# Altium PCB PCB_3U_DDS.PcbDoc (part 12 of 12)
Units mil, origin at the board's own origin, x right, y up, seen from the top; angles counter-clockwise.
Board outline 6338.37 x 3937 mil, 6 copper layers (L1, P2, L3, L4, P5, L6), stack 64.885 mil thick; 954 components, 537 nets, 3358 pads, 2342 vias.
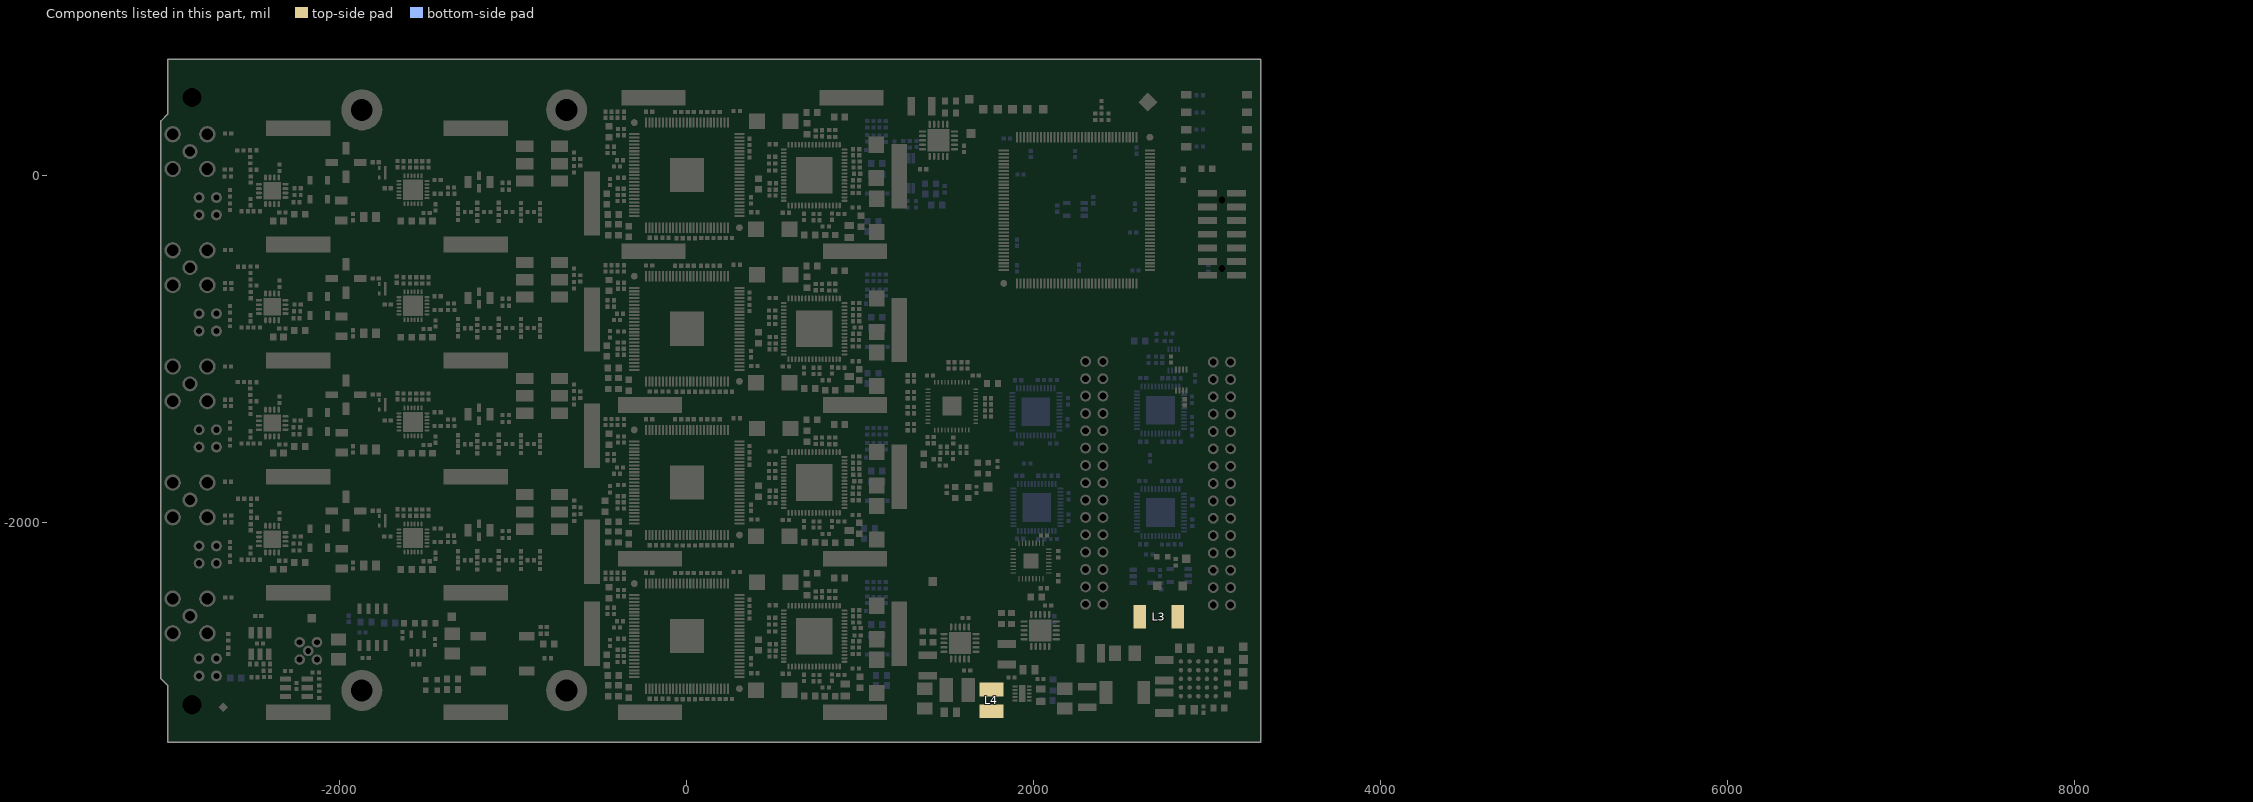
[diagram p16: the components of this part, seen from the top]

## Polygon pours and split planes (outlines as drawn) (continued)
P3V3_DRVC on L4 "Top-No Net" (solid, remove dead copper, pour order 246): 492.13,-1941.05 832.28,-1941.05 893.9,-1879.43 911.02,-1862.31 911.02,-1822.94 911.02,-1797.96 639.05,-1797.96 610.24,-1826.77 604.77,-1832.24 604.23,-1832.78 580.71,-1832.78 524.84,-1832.78 501.97,-1855.65 492.13,-1865.5
P1V8A on L4 "Top-No Net" (solid, remove dead copper, pour order 248): 1151.57,-1441.44 794.88,-1441.44 777.56,-1458.76 763.78,-1472.54 698.82,-1472.54 498.03,-1472.54 492.13,-1478.45 486.59,-1483.98 462.6,-1483.98 442.91,-1483.98 442.91,-1357.79 794.88,-1357.79 1151.57,-1357.79
P3V3_DRVD on L4 "Top-No Net" (solid, remove dead copper, pour order 250): 492.13,-2826.87 832.28,-2826.87 893.9,-2765.26 911.02,-2748.13 911.02,-2708.76 911.02,-2683.58 610.24,-2683.58 610.24,-2708.76 610.24,-2712.6 604.77,-2718.06 604.23,-2718.61 580.71,-2718.61 524.84,-2718.61 501.97,-2741.48 492.13,-2751.32
P1V8A on L4 "Top-No Net" (solid, remove dead copper, pour order 252): 1151.57,-2327.27 1057.68,-2327.27 1026.57,-2358.37 698.82,-2358.37 498.03,-2358.37 492.13,-2364.28 486.59,-2369.81 462.6,-2369.81 442.91,-2369.81 442.91,-2288.79 734.94,-2288.79 1151.57,-2288.79
NetC73_2 on L4 "Top-No Net" (solid, remove dead copper, pour order 316): 21 vertices, not listed, extent 2529.53,-3053.25 2923.23,-2876.09
P3V3 on L3 "Top-No Net" (solid, remove dead copper, pour order 312): 18 vertices, not listed, extent 1712.6,-2698.92 1968.5,-1862.31
P3V6 on L3 "Top-No Net" (solid, remove dead copper, pour order 310): 30 vertices, not listed, extent 1594.49,-3131.99 2519.69,-2689.08
NetC73_2 on L3 "Top-No Net" (solid, remove dead copper, pour order 308): 2539.37,-2925.3 2539.37,-3063.09 2874.02,-3063.09 2874.02,-2836.72 2539.37,-2836.72
P3V3A on L3 "P3V3A_L03_P088" (solid, remove dead copper, pour order 88): 1273.87,-1643.7 1273.87,-2416.14 1309.05,-2451.32 1309.05,-2974.51 1555.12,-2974.51 1555.12,-2817.03 1387.8,-2817.03 1387.8,-1643.7
P7V0A on L3 "P7V0A_L03_P052" (solid, remove dead copper, pour order 52): -1877.95,-163.49 -1826.77,-163.49 -1807.09,-183.17 -1807.09,-242.23 -1807.09,-2432.76 -1885.83,-2432.76 -1885.83,-2289.47 -1885.83,-2269.79 -1885.83,-183.17 -1885.83,-163.49
P5V0A on L3 "P5V0A_L03_P070" (solid, remove dead copper, pour order 70): -2183.91,-188.66 -2144.54,-188.66 -2134.7,-198.51 -2134.7,-237.88 -2134.7,-2481.97 -1540.15,-2481.97 -1540.15,-2560.71 -2193.75,-2560.71 -2193.75,-2432.76 -2193.75,-198.51
P3V3A on L3 "P3V3A_L03_P084" (solid, remove dead copper, pour order 84): -510.68,-2472.13 -454.6,-2472.13 -356.13,-2472.13 -356.13,139.06 -461.47,244.41 -500.84,244.41 -510.68,244.41 -520.53,234.56 -520.53,214.88 -520.53,-2462.29
P3V3A on L3 "P3V3A_L03_P086" (solid, remove dead copper, pour order 86): 886.95,-2302.8 916.48,-2302.8 1002.87,-2216.4 1002.87,346.21 957.46,391.63 896.8,391.63 871.21,391.63 867.27,387.69 867.27,364.53 867.27,-2292.95 877.11,-2302.8
P1V8A on L3 "P1V8A_L03_P140" (solid, remove dead copper, pour order 140): 1103.49,-2590.65 1152.36,-2590.65 1164.17,-2578.84 1182.23,-2560.79 1341.87,-2401.14 1341.87,301.3 1211.76,431.41 1208.15,435.02 1172.39,435.02 1087.41,435.02 1073.96,421.57 1005.87,353.48 1005.87,-2502.47 1093.65,-2590.24 1094.06,-2590.65
P1V8A on L3 "Top-No Net" (solid, remove dead copper, pour order 174): 501.97,-533.57 501.97,-858.37 501.97,-1155.35 482.28,-1175.04 480.58,-1173.33 425.98,-1173.33 425.98,-1171.36 408.26,-1153.65 403.54,-1148.93 403.54,-1087.52 403.54,-543.41 423.23,-523.72 482.28,-523.72 492.13,-523.72 501.97,-533.57
P1V8A on L3 "Top-No Net" (solid, remove dead copper, pour order 236): 501.97,352.26 501.97,27.46 501.97,-269.53 482.28,-289.21 480.58,-287.5 425.98,-287.5 425.98,-285.54 408.26,-267.82 403.54,-263.1 403.54,-201.69 403.54,342.42 423.23,362.1 482.28,362.1 492.13,362.1 501.97,352.26
P1V8A on L3 "Top-No Net" (solid, remove dead copper, pour order 238): 501.97,-1419.39 501.97,-1744.2 501.97,-2041.18 482.28,-2060.86 480.58,-2059.16 425.98,-2059.16 425.98,-2057.19 408.26,-2039.47 403.54,-2034.76 403.54,-1973.34 403.54,-1429.24 423.23,-1409.55 482.28,-1409.55 492.13,-1409.55 501.97,-1419.39
P1V8A on L3 "Top-No Net" (solid, remove dead copper, pour order 272): 501.97,-2305.22 501.97,-2630.02 501.97,-2927.01 482.28,-2946.69 480.58,-2944.98 425.98,-2944.98 425.98,-2943.02 408.26,-2925.3 403.54,-2920.58 403.54,-2859.17 403.54,-2315.06 423.23,-2295.38 482.28,-2295.38 492.13,-2295.38 501.97,-2305.22
P3V3_DRVA on L3 "Top-No Net" (solid, remove dead copper, pour order 284): 22 vertices, not listed, extent 757.87,-80.81 887.91,332.57
P3V3_DRVB on L3 "Top-No Net" (solid, remove dead copper, pour order 286): 21 vertices, not listed, extent 757.87,-966.64 887.91,-537.5
P3V3_DRVC on L3 "Top-No Net" (solid, remove dead copper, pour order 288): 21 vertices, not listed, extent 757.87,-1852.46 887.91,-1426.28
P3V3_DRVD on L3 "Top-No Net" (solid, remove dead copper, pour order 290): 17 vertices, not listed, extent 757.87,-2738.29 900.87,-2324.91
P1V8_CLK_VDDD on L1 "Top-No Net" (solid, remove dead copper, pour order 232): 28 vertices, not listed, extent 698.82,-3051.28 1163.19,-2787.5
P7V5A on L1 "Top-No Net" (solid, remove dead copper, pour order 306): 1594.49,-3141.83 1594.49,-3053.25 1555.12,-3053.25 1555.12,-2885.93 1181.1,-2885.93 1181.1,-3082.78 1250,-3082.78 1250,-3033.57 1259.84,-3023.72 1269.69,-3013.88 1446.85,-3013.88 1456.69,-3023.72 1505.91,-3023.72 1505.91,-3131.99 1515.75,-3141.83
P3V3A on L1 "Top-No Net" (solid, remove dead copper, pour order 304): 26 vertices, not listed, extent 1112.2,-2885.93 1584.65,-2265.85
P3V3 on L1 "Top-No Net" (solid, remove dead copper, pour order 302): 1786.87,258.21 1789.87,255.21 2813.69,255.21 2813.69,-591.35 3001.97,-779.63 3001.97,-2157.58 2696.85,-2157.58 2696.85,-1242.23 2813.69,-1242.23 2813.69,-985.06 2491.43,-662.79 1787.87,-662.79
P3V3 on L1 "P3V3_L01_P114" (solid, remove dead copper, pour order 114): 27 vertices, not listed, extent 2461.76,-2324.49 3071.99,-111.6
GND on L1 "GND_L01_P112" (solid, remove dead copper, pour order 112): 2120.08,-3033.15 2338.37,-3033.15 2363.33,-3058.11 2364.4,-3059.18 2364.4,-3102.05 2364.4,-3150.19 2363.33,-3151.26 2087.74,-3151.26 2087.74,-3089.6 2097.26,-3080.08 2120.08,-3057.26 2120.08,-3033.15
GND on L1 "GND_L01_P110" (solid, remove dead copper, pour order 110): 22 vertices, not listed, extent 1861.36,-3107.39 2103.92,-2826.46
GND on L1 "GND_L01_P108" (solid, remove dead copper, pour order 108): 3235.24,-2910.96 3235.24,-3150.79 2825.39,-3150.79 2825.39,-3043.53 3032.62,-2836.3 3042.47,-2826.46 3101.52,-2826.46 3150.73,-2826.46
NetC73_2 on L1 "NETC73_2_L01_P106" (solid, remove dead copper, pour order 106): 21 vertices, not listed, extent 2550.2,-3165.2 2875.14,-2882.98
GND on L1 "GND_L01_P102" (solid, remove dead copper, pour order 102): 2688.58,-2885.51 2914.51,-2885.51 2914.51,-2944.57 2904.67,-2944.57 2824.83,-2944.57 2819.8,-2948.82 2820.19,-2949.21 2816.09,-2953.32 2816.09,-3013.47 2816.09,-3017.85 2810.22,-3023.72 2692.93,-3023.72 2688.58,-3019.37
P12V0 on L1 "P12V0_L01_P100" (solid, remove dead copper, pour order 100): 40 vertices, not listed, extent 2875.14,-3129.37 3121.21,-2580.4
NetC161_2 on L1 "NETC161_2_L01_P098" (solid, remove dead copper, pour order 98): 22 vertices, not listed, extent 2668.45,-2875.67 2914.51,-2442.6
P3V3 on L1 "P3V3_L01_P096" (solid, remove dead copper, pour order 96): 1765.75,-2393.39 1996.2,-2393.39 1996.2,-2394.23 2013.39,-2411.42 2018.84,-2416.88 2018.84,-2434.33 2018.84,-2472.13 2009,-2481.97 1999.16,-2491.81 1959.79,-2491.81 1765.75,-2491.81
P2V0 on L1 "P2V0_L01_P054" (solid, remove dead copper, pour order 54): 18 vertices, not listed, extent 1303.15,-2838.69 2678.29,171.16
P1V8A on L1 "P1V8A_L01_P056" (solid, remove dead copper, pour order 56): 1342.52,483.48 1519.68,483.48 1519.68,391.63 1509.84,381.79 1505.91,377.85 1480.31,377.85 1480.31,259.74 1446.85,226.28 1358.27,226.28 1188.98,226.28 1185.04,230.21 1185.04,303.14 1185.04,463.8 1204.72,483.48 1342.52,483.48
P3V6 on L1 "P3V6_L01_P058" (solid, remove dead copper, pour order 58): 37 vertices, not listed, extent 1598.43,-3091.83 2503.94,-2437.11
P3V3 on L1 "P3V3_L01_P060" (solid, remove dead copper, pour order 60): 18 vertices, not listed, extent 1824.8,-616.24 2661.42,220.37
P3V3 on L1 "P3V3_L01_P062" (solid, remove dead copper, pour order 62): 37 vertices, not listed, extent 1564.96,-2742.23 2181.38,-1164.36
P3V3_CLK2 on L1 "P3V3_CLK2_L01_P066" (solid, remove dead copper, pour order 66): 2617.59,-960.38 2777.7,-960.38 2797.24,-979.93 2810.5,-993.19 2810.5,-1078.49 2810.5,-1129.54 2850,-1169.04 2869.56,-1188.6 2869.56,-1212.6 2791.07,-1212.6 2786.88,-1208.41 2617.59,-1039.12 2617.59,-956.44
P7V0A on L1 "P7V0A_L01_P068" (solid, remove dead copper, pour order 68): 23 vertices, not listed, extent -2105.17,-2747.72 -1652.42,-2383.55
P7V5A on L1 "P7V5A_L01_P072" (solid, remove dead copper, pour order 72): 19 vertices, not listed, extent -1928.01,-2885.51 -1553.99,-2659.14
P7V5A on L1 "P7V5A_L01_P076" (solid, remove dead copper, pour order 76): 35 vertices, not listed, extent 1172.39,-3151.26 1615.3,-2875.67
P5V0A on L1 "P5V0A_L01_P078" (solid, remove dead copper, pour order 78): 23 vertices, not listed, extent -1681.94,-2698.51 -1551.18,-2491.81
P3V3A on L1 "P3V3A_L01_P080" (solid, remove dead copper, pour order 80): 21 vertices, not listed, extent 1133.02,-2846.14 1546.4,-2265.44
GND on L1 "GND_L01_P118" (solid, remove dead copper, pour order 118): -1701.63,-602.05 -1455.57,-602.05 -1455.57,-542.99 -1701.63,-542.99 -1701.63,-602.05
GND on L1 "GND_L01_P122" (solid, remove dead copper, pour order 122): -1705.56,68.24 -1459.5,68.24 -1459.5,127.29 -1705.56,127.29 -1705.56,68.24
GND on L1 "GND_L01_P124" (solid, remove dead copper, pour order 124): -1701.63,-1268.41 -1455.57,-1268.41 -1455.57,-1209.35 -1701.63,-1209.35 -1701.63,-1268.41
GND on L1 "GND_L01_P126" (solid, remove dead copper, pour order 126): -1701.63,-1937.7 -1455.57,-1937.7 -1455.57,-1878.64 -1701.63,-1878.64 -1701.63,-1937.7
P7V5 on L1 "P7V5_L01_P128" (solid, remove dead copper, pour order 128): 20 vertices, not listed, extent 1585.77,-3015.71 1940.1,-2846.14
P3V3A on L1 "P3V3A_L01_P130" (solid, remove dead copper, pour order 130): 867.27,-2265.44 951.5,-2265.44 955.85,-2269.79 955.85,-2314.65 955.85,-2344.18 946.01,-2354.02 926.32,-2354.02 888.96,-2354.02 886.95,-2352.01 886.95,-2302.8 877.11,-2302.8 867.27,-2292.95 867.27,-2265.85
P3V3A on L1 "P3V3A_L01_P132" (solid, remove dead copper, pour order 132): 867.27,392.04 951.5,392.04 955.85,387.69 955.85,342.83 955.85,313.3 946.01,303.46 926.32,303.46 888.96,303.46 886.95,305.47 886.95,354.68 877.11,354.68 877.11,354.69 867.27,364.53 867.27,391.63
P3V3A on L1 "P3V3A_L01_P134" (solid, remove dead copper, pour order 134): 867.27,-493.78 951.5,-493.78 955.85,-498.13 955.85,-542.99 955.85,-572.52 946.01,-582.36 926.32,-582.36 888.96,-582.36 886.95,-580.35 886.95,-531.14 877.11,-531.14 867.27,-521.3 867.27,-494.2
P3V3A on L1 "P3V3A_L01_P136" (solid, remove dead copper, pour order 136): 867.27,-1379.61 951.5,-1379.61 955.85,-1383.96 955.85,-1428.82 955.85,-1458.35 946.01,-1468.19 926.32,-1468.19 888.96,-1468.19 886.95,-1466.18 886.95,-1416.97 877.11,-1416.97 867.27,-1407.13 867.27,-1380.02
GND on L1 "GND_L01_P138" (solid, remove dead copper, pour order 138): 1260.97,-3063.44 1260.97,-3033.15 1270.81,-3023.31 1418.45,-3023.31 1428.29,-3033.15 1431.1,-3033.15 1431.81,-3033.15 1457.82,-3059.16 1507.03,-3108.37 1507.03,-3133.96 1507.03,-3150.79 1506.56,-3151.26 1260.97,-3151.26 1260.97,-3062.68
P1V8_CLK_VDDA on L1 "Top-No Net" (solid, remove dead copper, pour order 144): -275.59,27.46 -275.59,-275.59 -127.95,-275.59 -127.95,-189.08 -127.95,-51.28 -167.32,-11.91 -206.69,27.46 -275.59,27.46
P1V8_CLK_VDDB on L1 "Top-No Net" (solid, remove dead copper, pour order 146): -275.59,-858.37 -275.59,-1161.42 -127.95,-1161.42 -127.95,-1074.91 -127.95,-937.11 -167.32,-897.74 -206.69,-858.37 -275.59,-858.37
P1V8_CLK_VDDC on L1 "Top-No Net" (solid, remove dead copper, pour order 148): -275.59,-1744.2 -275.59,-2047.24 -127.95,-2047.24 -127.95,-1960.73 -127.95,-1822.94 -167.32,-1783.57 -206.69,-1744.2 -275.59,-1744.2
P1V8_CLK_VDDD on L1 "Top-No Net" (solid, remove dead copper, pour order 150): -275.59,-2630.02 -275.59,-2933.07 -127.95,-2933.07 -127.95,-2846.56 -127.95,-2708.76 -167.32,-2669.39 -206.69,-2630.02 -275.59,-2630.02
P1V8_CLK_VDDB on L1 "Top-No Net" (solid, remove dead copper, pour order 152): 29 vertices, not listed, extent 698.82,-1279.63 1163.19,-1015.85
P3V3_DAC_VDDB on L1 "Top-No Net" (solid, remove dead copper, pour order 158): -478.35,-631.99 -324.8,-631.99 -324.8,-799.32 -167.32,-799.32 -167.32,-582.78 -442.91,-582.78 -480.31,-582.78 -481.97,-584.43 -482.28,-584.75 -482.28,-622.15 -482.28,-628.06 -478.35,-631.99
P3V3_DAC_VDDB on L1 "Top-No Net" (solid, remove dead copper, pour order 160): 19 vertices, not listed, extent 836.61,-789.47 1151.57,-523.72
P3V3_DRVB on L1 "Top-No Net" (solid, remove dead copper, pour order 164): 24 vertices, not listed, extent -59.06,-1303.44 482.28,-622.15
P1V8_DVDDB on L1 "Top-No Net" (solid, remove dead copper, pour order 166): 22 vertices, not listed, extent -29.53,-1067.32 374.02,-553.25
GND on L1 "Top-No Net" (solid, remove dead copper, pour order 168): 27 vertices, not listed, extent -265.75,-1094.59 196.85,-622.15
P1V8_DVDDB on L1 "Top-No Net" (solid, remove dead copper, pour order 170): 27 vertices, not listed, extent -19.69,-653.65 721.26,-439.08
P1V8A on L1 "Top-No Net" (solid, remove dead copper, pour order 176): 28 vertices, not listed, extent 438.73,-1271.76 698.82,-1127.93
P1V8A on L1 "Top-No Net" (solid, remove dead copper, pour order 182): 28 vertices, not listed, extent 438.73,-385.93 698.82,-242.1
P1V8_DVDDA on L1 "Top-No Net" (solid, remove dead copper, pour order 184): 27 vertices, not listed, extent -19.69,232.18 721.26,446.75
GND on L1 "Top-No Net" (solid, remove dead copper, pour order 186): 27 vertices, not listed, extent -265.75,-208.76 196.85,263.68
P1V8_DVDDA on L1 "Top-No Net" (solid, remove dead copper, pour order 188): 22 vertices, not listed, extent -29.53,-181.5 374.02,332.57
P3V3_DRVA on L1 "Top-No Net" (solid, remove dead copper, pour order 190): 24 vertices, not listed, extent -59.06,-417.61 482.28,263.68
P3V3_DAC_VDDA on L1 "Top-No Net" (solid, remove dead copper, pour order 192): 838.19,279.53 836.61,277.95 836.61,125.88 836.61,107.74 847.58,96.77 848,96.35 940.55,96.35 974.02,96.35 975.98,98.32 983.86,106.2 1151.57,106.2 1151.57,180.92 1034.51,297.98 964.57,297.98 856.65,297.98
P3V3_DAC_VDDA on L1 "Top-No Net" (solid, remove dead copper, pour order 194): -478.35,253.83 -324.8,253.83 -324.8,86.51 -167.32,86.51 -167.32,303.05 -442.91,303.05 -480.31,303.05 -481.97,301.39 -482.28,301.08 -482.28,263.68 -482.28,257.77 -478.35,253.83
P1V8_CLK_VDDA on L1 "Top-No Net" (solid, remove dead copper, pour order 196): 29 vertices, not listed, extent 698.82,-393.8 1163.19,-130.02
no net on L1 "Top-No Net" (solid, remove dead copper, pour order 198): -275.59,27.46 -275.59,-275.59 -127.95,-275.59 -127.95,-189.08 -127.95,-51.28 -167.32,-11.91 -206.69,27.46 -275.59,27.46
P1V8A on L1 "Top-No Net" (solid, remove dead copper, pour order 200): 28 vertices, not listed, extent 438.73,-2157.58 698.82,-2013.76
P1V8_DVDDC on L1 "Top-No Net" (solid, remove dead copper, pour order 202): 27 vertices, not listed, extent -19.69,-1539.47 721.26,-1324.91
GND on L1 "Top-No Net" (solid, remove dead copper, pour order 204): 27 vertices, not listed, extent -265.75,-1980.42 196.85,-1507.98
P1V8_DVDDC on L1 "Top-No Net" (solid, remove dead copper, pour order 206): 22 vertices, not listed, extent -29.53,-1953.15 374.02,-1439.08
P3V3_DRVC on L1 "Top-No Net" (solid, remove dead copper, pour order 208): 24 vertices, not listed, extent -59.06,-2191.11 482.28,-1509.82
P3V3_DAC_VDDC on L1 "Top-No Net" (solid, remove dead copper, pour order 210): 19 vertices, not listed, extent 836.61,-1675.3 1151.57,-1409.55
P3V3_DAC_VDDC on L1 "Top-No Net" (solid, remove dead copper, pour order 212): -478.35,-1517.82 -324.8,-1517.82 -324.8,-1685.14 -167.32,-1685.14 -167.32,-1468.61 -442.91,-1468.61 -480.31,-1468.61 -481.97,-1470.26 -482.28,-1470.57 -482.28,-1507.98 -482.28,-1513.88 -478.35,-1517.82
P1V8_CLK_VDDC on L1 "Top-No Net" (solid, remove dead copper, pour order 214): 29 vertices, not listed, extent 698.82,-2165.46 1163.19,-1901.68
no net on L1 "Top-No Net" (solid, remove dead copper, pour order 216): -275.59,-1744.2 -275.59,-2047.24 -127.95,-2047.24 -127.95,-1960.73 -127.95,-1822.94 -167.32,-1783.57 -206.69,-1744.2 -275.59,-1744.2
P1V8A on L1 "Top-No Net" (solid, remove dead copper, pour order 218): 28 vertices, not listed, extent 438.73,-3043.41 698.82,-2899.58
P1V8_DVDDD on L1 "Top-No Net" (solid, remove dead copper, pour order 220): 27 vertices, not listed, extent -19.69,-2425.3 721.26,-2210.73
GND on L1 "Top-No Net" (solid, remove dead copper, pour order 222): 27 vertices, not listed, extent -265.75,-2866.24 196.85,-2393.8
P1V8_DVDDD on L1 "Top-No Net" (solid, remove dead copper, pour order 224): 22 vertices, not listed, extent -29.53,-2838.98 374.02,-2324.91
P3V3_DRVD on L1 "Top-No Net" (solid, remove dead copper, pour order 226): 23 vertices, not listed, extent -58.18,-3075.26 483.16,-2393.97
P3V3_DAC_VDDD on L1 "Top-No Net" (solid, remove dead copper, pour order 228): 19 vertices, not listed, extent 836.61,-2561.13 1151.57,-2295.38
P3V3_DAC_VDDD on L1 "Top-No Net" (solid, remove dead copper, pour order 230): -478.35,-2403.65 -324.8,-2403.65 -324.8,-2570.97 -167.32,-2570.97 -167.32,-2354.43 -442.91,-2354.43 -480.31,-2354.43 -481.97,-2356.09 -482.28,-2356.4 -482.28,-2393.8 -482.28,-2399.71 -478.35,-2403.65
no net on L1 "Top-No Net" (solid, remove dead copper, pour order 234): -275.59,-2630.02 -275.59,-2933.07 -127.95,-2933.07 -127.95,-2846.56 -127.95,-2708.76 -167.32,-2669.39 -206.69,-2630.02 -275.59,-2630.02
GND on L1 "Top-No Net" (solid, remove dead copper, pour order 274): 562.01,-708.76 563.87,-710.63 910.55,-710.63 906.1,-715.08 906.1,-1061.02 904.34,-1062.79 559.87,-1062.79
GND on L1 "Top-No Net" (solid, remove dead copper, pour order 276): 562.01,177.06 563.87,175.2 910.55,175.2 906.1,170.75 906.1,-175.2 904.34,-176.96 559.87,-176.96
GND on L1 "Top-No Net" (solid, remove dead copper, pour order 280): 562.01,-2480.42 563.87,-2482.28 910.55,-2482.28 906.1,-2486.73 906.1,-2832.68 904.34,-2834.44 559.87,-2834.44
GND on L1 "Top-No Net" (solid, remove dead copper, pour order 278): 562.01,-1594.59 563.87,-1596.46 910.55,-1596.46 906.1,-1600.9 906.1,-1946.85 904.34,-1948.61 559.87,-1948.61
SG1 on L1 "Top-No Net" (solid, remove dead copper, pour order 292): -2657.48,273.52 -2657.48,-41.44 -3024.13,-41.44 -3024.13,293.2 -3020.17,297.16 -3020.17,312.89 -2657.48,312.89 -2657.48,273.52
SG2 on L1 "Top-No Net" (solid, remove dead copper, pour order 294): -2657.48,-395.77 -2657.48,-710.73 -3024.13,-710.73 -3024.13,-376.09 -3020.17,-372.13 -3020.17,-356.4 -2657.48,-356.4 -2657.48,-395.77
SG3 on L1 "Top-No Net" (solid, remove dead copper, pour order 296): -2657.48,-1065.06 -2657.48,-1380.02 -3024.13,-1380.02 -3024.13,-1045.38 -3020.17,-1041.43 -3020.17,-1025.69 -2657.48,-1025.69 -2657.48,-1065.06
SG4 on L1 "Top-No Net" (solid, remove dead copper, pour order 298): -2657.48,-1734.35 -2657.48,-2049.31 -3024.13,-2049.31 -3024.13,-1714.67 -3020.17,-1710.72 -3020.17,-1694.98 -2657.48,-1694.98 -2657.48,-1734.35
SG0 on L1 "Top-No Net" (solid, remove dead copper, pour order 300): -2657.48,-2403.65 -2657.48,-2738.29 -3024.13,-2738.29 -3024.13,-2383.96 -3020.17,-2380.01 -3020.17,-2364.28 -2657.48,-2364.28
P3V6 on L6 "P3V6_L06_P092" (solid, remove dead copper, pour order 92): 2100,-2480.31 2188.3,-2480.32 2188.3,-2683.17 2100,-2683.17
P3V3_CLK1 on L6 "P3V3_CLK1_L06_P064" (solid, remove dead copper, pour order 64): 1893.7,-2131.99 2041.79,-2131.99 2080.71,-2170.91 2100.39,-2190.59 2100.39,-2293.31 2100.39,-2437.11 2090.55,-2446.95 2080.71,-2456.8 2021.65,-2456.8 1913.39,-2456.8 1874.02,-2417.43 1864.17,-2407.58 1864.17,-2240.26 1864.17,-2161.52 1893.7,-2131.99
P7V5A on L6 "P7V5A_L06_P074" (solid, remove dead copper, pour order 74): 23 vertices, not listed, extent -1770.53,-3093.79 1251.13,-2777.25
P1V8_CLK_VDDB on L6 "Top-No Net" (solid, remove dead copper, pour order 156): 42 vertices, not listed, extent -196.85,-1269.79 905.51,-1006.01
P3V3_DAC_VDDB on L6 "Top-No Net" (solid, remove dead copper, pour order 162): 21 vertices, not listed, extent -421.26,-700.89 925.2,-523.72
P1V8_DRVB on L6 "Top-No Net" (solid, remove dead copper, pour order 180): 19 vertices, not listed, extent 915.35,-1035.54 1092.52,-848.53
P1V8_DRVA on L6 "Top-No Net" (solid, remove dead copper, pour order 254): 19 vertices, not listed, extent 915.35,-149.71 1092.52,37.3
P3V3_DAC_VDDA on L6 "Top-No Net" (solid, remove dead copper, pour order 256): 21 vertices, not listed, extent -433.07,184.94 925.2,362.1
P1V8_CLK_VDDA on L6 "Top-No Net" (solid, remove dead copper, pour order 258): 42 vertices, not listed, extent -196.85,-383.96 905.51,-120.18
P1V8_DRVC on L6 "Top-No Net" (solid, remove dead copper, pour order 260): 19 vertices, not listed, extent 915.35,-1921.36 1092.52,-1734.35
P3V3_DAC_VDDC on L6 "Top-No Net" (solid, remove dead copper, pour order 262): 21 vertices, not listed, extent -412.4,-1586.72 925.2,-1409.55
P1V8_CLK_VDDC on L6 "Top-No Net" (solid, remove dead copper, pour order 264): 38 vertices, not listed, extent -196.85,-2165.46 905.51,-1891.83
P1V8_DRVD on L6 "Top-No Net" (solid, remove dead copper, pour order 266): 19 vertices, not listed, extent 915.35,-2807.19 1092.52,-2620.18
P3V3_DAC_VDDD on L6 "Top-No Net" (solid, remove dead copper, pour order 268): 21 vertices, not listed, extent -411.42,-2472.54 925.2,-2295.38
P1V8_CLK_VDDD on L6 "Top-No Net" (solid, remove dead copper, pour order 270): 35 vertices, not listed, extent -196.85,-2974.51 905.51,-2757.98
P1V8D on L6 "Top-No Net" (solid, remove dead copper, pour order 282): 1787.87,257.21 2707.87,257.21 2707.87,-670.79 2716.87,-679.79 2699.87,-662.79 1786.87,-662.79
P3V3 on L6 "Top-No Net" (solid, remove dead copper, pour order 314): 1702.76,-1901.68 1702.76,-2413.49 1820.87,-2531.6 1820.87,-2728.45 1958.66,-2728.45 1958.66,-2521.76 1929.13,-2492.23 1864.17,-2427.27 1864.17,-2390.24 1864.17,-1974.51 1830.71,-1941.05 1830.71,-1872.15 1801.18,-1842.62 1761.81,-1842.62
P1V8A on P2 (split plane): 1235.06,389.52 1235.06,381.79 1235.06,334.69 1167.65,267.28 1166.55,265.63 1166.16,263.68 1166.16,-2352.32 1159.31,-2359.18 946.99,-2359.18 940.14,-2352.32 940.14,369.83 986.36,416.06 1208.52,416.06
GND on P2 (split plane): 17 vertices, not listed, extent -3011.4,-3249.69 3286.78,647.12
GND on P5 (split plane): 17 vertices, not listed, extent -3011.4,-3249.69 3286.78,647.12

## Keep-outs
Keep-Out Layer:
  lines w8: -3024.13,-2895.79 -2969.13,-2950.79 -2752.13,-2950.79 -2752.13,-3150.79 3267.72,-3150.79 3267.72,549.21 -2752.13,549.21 -2752.13,349.21 -2983.85,349.21 -3024.13,308.94 -3024.13,-2895.79

## Other copper
L1:
  rectangle net P1V8_CLK_VDDC: 972.56,-2091.1 1036,-2084
  rectangle net P1V8_CLK_VDDA: 837,-318.3 840.12,-312.29
  rectangle net GND: 950,-2175 967,-2155.61
  rectangle net P3V3A: 1446.85,-2726.38 1466.54,-2716.54
  rectangle net P3V3_CLK2: 2856.46,-1212.6 2862.95,-1197.94
  rectangle net NetC44C_2: 846.46,-2125.98 885.83,-2106.3
  rectangle net P1V8_DVDDD: 639.76,-2303.15 649.61,-2283.46
  rectangle net P1V8_CLK_VDDD: -265.75,-2746.06 -255.91,-2736.22
  rectangle net P1V8_CLK_VDDD: -265.62,-2677.17 -255.91,-2669.39
  rectangle net P1V8_CLK_VDDA: -265.75,-88.58 -255.91,-78.74
  rectangle net P1V8_CLK_VDDA: -265.62,-19.69 -250.48,-11.91
  rectangle net P1V8_CLK_VDDB: -265.62,-971.76 -250.48,-964.57
  rectangle net P1V8_CLK_VDDB: -265.62,-905.51 -250.48,-899.73
  rectangle net P1V8_CLK_VDDC: -265.62,-1787.57 -261.46,-1785.56
  rectangle net P1V8_CLK_VDDC: -265.62,-1856.17 -255.91,-1850.39
  rectangle net P3V3_DAC_VDDD: 1033.46,-2440.94 1059.14,-2420.34
  rectangle net P3V3_DAC_VDDC: 1033.46,-1564.96 1062.92,-1534.52
  rectangle net NetC44B_2: 870.57,-1233.37 885.83,-1220.47
  rectangle net P3V3_DAC_VDDB: 1023.62,-668.41 1053.15,-649.61
  rectangle net NetC44A_2: 895.67,-356.3 915.35,-344.49
  rectangle net LOOP_FILTERD: 954.72,-2903.54 984.25,-2883.86
  rectangle net NetC47C_2: -2509.84,-1547.34 -2497.64,-1535.43
  rectangle net P3V3_CLK1: 2057.09,-2450.79 2086.61,-2411.42
  rectangle net P3V3_CLK1: 2075.79,-2421.26 2106.3,-2381.01
  rectangle net NetC91_2: 1413.87,-1170.58 1445.51,-1149.79
  rectangle net GND: -2456.69,-3116.24 -2417.32,-3076.87
  rectangle net GND: -2062.99,-3116.24 -2023.62,-3076.87
  rectangle net GND: -1433.07,-2427.27 -1393.7,-2387.9
  rectangle net GND: -1039.37,-2427.27 -1000,-2387.9
  rectangle net GND: -2456.69,-2427.27 -2417.32,-2387.9
  rectangle net GND: -2062.99,-2427.27 -2023.62,-2387.9
  rectangle net GND: -1433.07,-1757.98 -1393.7,-1718.61
  rectangle net GND: -1039.37,-1757.98 -1000,-1718.61
  rectangle net GND: -1433.07,-1088.69 -1393.7,-1049.31
  rectangle net GND: -1039.37,-1088.69 -1000,-1049.31
  rectangle net GND: -1433.07,-419.39 -1393.7,-380.02
  rectangle net GND: -1039.37,-419.39 -1000,-380.02
  rectangle net GND: -1433.07,249.9 -1393.7,289.27
  rectangle net GND: -1039.37,249.9 -1000,289.27
  rectangle net GND: -2456.69,249.9 -2417.32,289.27
  rectangle net GND: -2062.99,249.9 -2023.62,289.27
  rectangle net GND: -2456.69,-419.39 -2417.32,-380.02
  rectangle net GND: -2062.99,-419.39 -2023.62,-380.02
  rectangle net GND: -2456.69,-1088.69 -2417.32,-1049.31
  rectangle net GND: -2062.99,-1088.69 -2023.62,-1049.31
  rectangle net GND: -2062.99,-1757.98 -2023.62,-1718.61
  rectangle net GND: -2456.69,-1757.98 -2417.32,-1718.61
  region net GND: -1072.95,-3017.35 -1383.95,-3017.35 -1383.95,-3075.35 -1072.95,-3075.35
  rectangle net GND: -2389.24,-2492.28 -2078.24,-2434.28
  rectangle net GND: -2383.75,-1817.5 -2072.75,-1759.5
  rectangle net GND: -2407.37,-1153.7 -2096.37,-1095.7
  rectangle net GND: -2383.75,-478.91 -2072.75,-420.91
  rectangle net GND: -2383.75,190.38 -2072.75,248.38
  rectangle net GND: -1360.13,190.38 -1049.13,248.38
  rectangle net GND: -1360.13,-478.91 -1049.13,-420.91
  rectangle net GND: -1360.13,-1148.2 -1049.13,-1090.2
  rectangle net GND: -1360.13,-1817.5 -1049.13,-1759.5
  rectangle net GND: -1360.13,-2486.79 -1049.13,-2428.79
  rectangle net RFSW_CTRL2: -2288.13,-1450.79 -2269.13,-1440.79
  rectangle net NetC73_2: 2825.87,-2987.79 2848.43,-2967.79
  rectangle net P1V8_DRVB: 945.57,-878.06 966.54,-868.11
  rectangle net RFSW_CTRL0: -2285.13,-112.79 -2264.13,-102.79
  rectangle net RFSW_CTRL3: -2288.13,-2119.79 -2269.13,-2110.79
  rectangle net RFSW_CTRL1: -2286.13,-780.79 -2264.13,-771.79
  rectangle net RFSW_CTRL1: -2308.13,-779.79 -2293.13,-764.79
  rectangle net P1V8_DVDDC: 374.87,-1934.79 392.87,-1922.79
  rectangle net P1V8_DACCLKB: 921.87,-815.79 948.87,-797.79
  rectangle net GND: 1323.87,26.21 1335.87,41.21
  rectangle net GND: 1086.87,20.21 1102.87,38.21
  rectangle net GND: -1678.13,-99.79 -1664.13,-92.79
  rectangle net GND: -196.13,-527.79 -179.13,-515.79
  rectangle net GND: 1086.87,-865.79 1102.87,-847.79
  rectangle net GND: 263.87,-2504.79 277.87,-2495.79
  rectangle net GND: 1086.87,-2632.79 1103.87,-2619.79
  rectangle net GND: 1409.87,-3043.41 1440.94,-3021.79
  rectangle net P3V3_DAC_VDDB: 874.71,-688.71 880.27,-685.77
  rectangle net DAC_OUTRB_N: 836,-738.24 847,-720.88
  rectangle net DAC_OUTRB_P: 861.81,-737.98 866.87,-718.98
  rectangle net NetC161_2: 2819.87,-2865.83 2833.91,-2831.79
  rectangle net NetC73_2: 2826.87,-3033.79 2862.05,-3017.17
  rectangle net NetC73_2: 2840.87,-3032.79 2855.87,-2960.79
  rectangle net P7V5A: 1448.06,-2928.79 1464.57,-2914.14
  rectangle net P7V5A: 1405.87,-2978.79 1464.87,-2957.79
  rectangle net NetC91_2: 1624.87,-1167.79 1638.87,-1153.79
  rectangle net NetC91_2: 1407.87,-1175.79 1427.87,-1164.79
  rectangle net NetC62_2: 1318.87,-1298.79 1330.87,-1290.79
  rectangle net NetC60_2: 1313.87,-1345.79 1332.87,-1336.79
  rectangle net GND: 1627.87,-1473.79 1638.87,-1464.79
  rectangle net P3V6: 1688.87,-2760.79 1707.87,-2679.79
  rectangle net P3V3A: 1450.87,-2765.79 1459.87,-2680.79
  rectangle net P3V6: 1613.87,-2820.79 1641.87,-2811.79
  rectangle net P3V3A: 1506.87,-2820.79 1532.87,-2811.79
  rectangle net GND: 343.87,-825.79 361.87,-772.79
  rectangle net GND: 347.87,60.21 361.87,103.21
  rectangle net GND: 878.87,-1031.79 887.87,-1023.79
  rectangle net P3V3_DRVC: 811.87,-1444.79 833.87,-1429.79
  rectangle net P1V8A: 740.87,-1453.79 755.87,-1413.79
  rectangle net DAC_OUTRC_N: 836.87,-1621.79 847.87,-1604.79
  rectangle net DAC_OUTRC_P: 856.87,-1624.79 867.87,-1604.79
  rectangle net GND: 265.87,-1618.79 274.87,-1608.79
  rectangle net P1V8A: 741.87,-2338.79 752.87,-2304.79
  rectangle net GND: 778.87,-2388.79 790.87,-2375.79
  rectangle net DAC_OUTRD_N: 836.87,-2508.79 847.87,-2490.79
  rectangle net DAC_OUTRD_P: 863.87,-2508.79 867.87,-2490.79
  rectangle net P1V8_DRVD: 946.87,-2647.79 956.87,-2631.79
  rectangle net P1V8_DVDDD: 512.87,-2635.79 527.87,-2619.79
  rectangle net P1V8_DVDDD: 512.87,-2595.79 527.87,-2578.79
  rectangle net GND: 880.87,-1916.79 886.87,-1906.79
  rectangle net P3V3_DRVC: 881.87,-1839.79 886.87,-1828.79
  rectangle net P1V8_DRVD: 932.87,-2646.79 948.87,-2625.79
  rectangle net P1V8_DACCLKD: 921.87,-2589.79 949.87,-2569.79
  rectangle net P1V8_DACCLKC: 918.87,-1701.79 948.87,-1683.79
  rectangle net P1V8_DRVC: 944.87,-1766.79 959.87,-1751.79
  rectangle net GND: 772.87,266.21 787.87,280.21
  rectangle net DAC_OUTRA_P: 861.87,151.21 867.87,166.21
  rectangle net DAC_OUTRA_N: 837.87,151.21 843.87,163.21
  rectangle net P1V8_DACCLKA: 920.87,70.21 950.87,87.21
  rectangle net P1V8_DRVA: 918.87,23.21 935.87,34.21
  rectangle net P1V8_DRVA: 944.87,9.21 958.87,20.21
  rectangle net GND: 912.87,-217.79 924.87,-207.79
  rectangle net P1V8A: 428.87,-112.79 436.87,-103.79
  rectangle net P1V8_DVDDA: 514.87,21.21 526.87,37.21
  rectangle net P1V8_DVDDA: 513.87,63.21 526.87,77.21
  rectangle net P3V3_DRVB: 146.87,-514.79 161.87,-499.79
  rectangle net GND: 265.87,-732.79 274.87,-723.79
  rectangle net P1V8_DVDDB: 514.87,-822.79 526.87,-808.79
  rectangle net P1V8_DVDDB: 512.87,-863.79 526.87,-849.79
  rectangle net P1V8A: 429.87,-997.79 436.87,-988.79
  rectangle net P3V3_DRVB: 507.87,-1033.79 518.87,-1012.79
  rectangle net GND: 260.87,-2005.79 266.87,-1989.79
  rectangle net GND: 338.87,-1908.79 363.87,-1889.79
  rectangle net GND: 337.87,-1846.79 347.87,-1829.79
  rectangle net GND: 336.87,-1769.79 349.87,-1752.79
  rectangle net GND: 342.87,-1710.79 361.87,-1657.79
  rectangle net GND: 265.87,-1618.79 274.87,-1609.79
  rectangle net P3V3_DRVC: 145.87,-1398.79 160.87,-1387.79
  rectangle net GND: -193.13,-1413.79 -182.13,-1401.79
  rectangle net GND: 89.87,-2922.79 97.87,-2911.79
  rectangle net GND: -192.13,-2298.79 -181.13,-2287.79
  rectangle net P1V8_DVDDD: 112.87,-2309.79 122.87,-2302.79
  rectangle net P3V3_DRVD: 145.87,-2287.79 160.87,-2272.79
  rectangle net P1V8_DVDDD: 368.87,-2487.79 382.87,-2481.79
  rectangle net GND: 341.87,-2597.79 361.22,-2542.79
  rectangle net GND: 337.87,-2655.79 346.87,-2638.79
  rectangle net GND: 335.87,-2732.79 345.87,-2717.79
  rectangle net GND: 334.87,-2794.79 359.87,-2776.79
  rectangle net P1V8A: 426.87,-2772.79 434.87,-2757.79
  rectangle net GND: -400.13,-2482.79 -338.13,-2457.79
  rectangle net GND: -399.13,-1596.79 -341.13,-1573.79
  rectangle net GND: -398.13,175.21 -338.13,199.21
  rectangle net GND: -399.13,-711.79 -339.13,-688.79
  rectangle net GND: 256.87,-234.79 267.87,-225.79
  rectangle net GND: 339.87,-137.79 362.87,-117.79
  rectangle net GND: 337.87,-75.79 347.87,-60.79
  rectangle net GND: 337.87,2.21 351.87,18.21
  rectangle net GND: 265.87,152.21 274.87,162.21
  rectangle net P3V3_DRVA: 146.87,372.21 159.87,385.21
  rectangle net GND: -196.13,357.21 -181.13,370.21
  rectangle net GND: -673.13,-614.79 -660.13,-605.79
  rectangle net GND: -678.13,-588.79 -661.13,-575.79
  rectangle net GND: -684.13,-1959.79 -657.13,-1944.79
  rectangle net GND: -683.13,-1917.79 -659.13,-1901.79
  rectangle net GND: -684.13,-1292.79 -662.13,-1276.79
  rectangle net GND: -686.13,-1255.79 -661.13,-1240.79
  rectangle net GND: -684.13,-619.79 -666.13,-600.79
  rectangle net GND: -684.13,-590.79 -666.13,-574.79
  rectangle net GND: -688.13,53.21 -662.13,65.21
  rectangle net GND: -682.13,80.21 -662.13,94.21
  rectangle net GND: -1006.89,-1330.81 -682.09,-1215.65
  rectangle net GND: -1736.22,-1363.29 -1687.01,-1284.55
  rectangle net GND: -2013.78,-1216.64 -1915.35,-1157.58
  rectangle net GND: -2013.78,-1374.12 -1915.35,-1315.06
  rectangle net GND: -2013.78,-704.83 -1915.35,-645.77
  rectangle net GND: -2013.78,-547.35 -1915.35,-488.29
  rectangle net GND: -2013.78,-35.54 -1915.35,23.52
  rectangle net GND: -2013.78,121.94 -1915.35,181
  rectangle net GND: -2013.78,-2043.41 -1915.35,-1984.35
  rectangle net GND: -2013.78,-1885.93 -1915.35,-1826.87
  rectangle net GND: -1750.84,-31.18 -1691.79,57.4
  rectangle net GND: -1750.84,-700.48 -1691.79,-611.89
  rectangle net GND: -1750.84,-2039.06 -1691.79,-1950.48
  rectangle net GND: -1006.89,-661.52 -682.09,-546.36
  rectangle net GND: -1006.89,7.77 -682.09,122.93
  rectangle net GND: -1006.89,-2000.1 -682.09,-1884.94
  rectangle net P3V3_DAC_VDDA: 921.87,105.21 949.87,131.84
  rectangle net P3V3_DAC_VDDA: 942.87,114.21 958.27,149.5
  rectangle net P3V3_DAC_VDDB: 920.87,-779.79 946.87,-757.79
  rectangle net P3V3_DAC_VDDB: 942.87,-767.79 951.87,-746.79
  rectangle net P3V3_DAC_VDDC: 919.87,-1665.79 951.87,-1641.79
  rectangle net P3V3_DAC_VDDC: 943.87,-1655.79 954.87,-1630.79
  rectangle net P3V3_DAC_VDDD: 909.06,-2552.79 951.87,-2529.53
  rectangle net P3V3_DAC_VDDD: 943.87,-2542.79 953.87,-2515.79
  rectangle net P1V8_DVDDC: 328.87,-1600.4 350.4,-1588.79
  rectangle net P3V3_DRVC: 325.87,-1639.79 357.87,-1627.79
  rectangle net P1V8_DVDDC: 329.87,-1934.79 365.87,-1923.79
  rectangle net P1V8_DVDDD: 329.87,-2485.79 353.87,-2474.79
  rectangle net P3V3_DRVD: 329.87,-2524.79 352.87,-2514.79
  rectangle net P1V8_DVDDD: 330.87,-2820.79 362.87,-2809.79
  rectangle net P1V8_DVDDB: 330.87,-713.79 358.87,-703.79
  rectangle net P3V3_DRVB: 330.87,-753.79 354.87,-742.79
  rectangle net P1V8_DVDDB: 331.87,-1048.79 365.87,-1037.79
  rectangle net NetC91_2: 1409.87,-1613.79 1435.87,-1562.79
  rectangle net NetC91_2: 1379.87,-1613.79 1422.87,-1594.79
  rectangle net NetC91_2: 1413.87,-1149.79 1426.87,-1131.79
  rectangle net P3V3_DRVA: 777.56,303.05 836.61,332.57
  rectangle net P3V3_DRVC: 777.56,-1468.61 836.61,-1439.08
  rectangle net P3V3_DRVD: 777.56,-2354.43 836.61,-2324.91
  rectangle net P3V3_DRVD: 853.35,-2724.51 880.91,-2708.76
  rectangle net P3V3_DRVC: 851.38,-1840.65 878.94,-1821.95
  rectangle net P3V3_DRVB: 786.42,-569 836.51,-542.99
  rectangle net P3V3_DAC_VDDD: -442.91,-2371.65 -362.2,-2344.59
  rectangle net P3V3_DAC_VDDC: -439.96,-1486.32 -360.24,-1461.72
  rectangle net P3V3_DAC_VDDA: -434.06,286.31 -371.06,310.92
  rectangle net P3V3_DAC_VDDB: -438.98,-601.48 -361.22,-575.89
  rectangle net NetC73_2: 2799.21,-3133.96 2814.57,-3069.28
  rectangle net P5V0A: -2184.06,-2344.59 -2137.8,-2306.2
  rectangle net P5V0A: -2176.18,-1662.5 -2135.83,-1632.98
  rectangle net P5V0A: -2186.02,-989.28 -2135.83,-961.72
  rectangle net P5V0A: -2177.17,-322.94 -2134.84,-298.33
  rectangle net P3V3_DRVA: 479.33,-174.32 523.62,-141.83
  rectangle net P3V3_DRVB: 469.49,-1057.19 529.87,-1025.69
  rectangle net P3V3_DRVC: 471.46,-1954.83 511.57,-1913.33
  rectangle net P3V3_DRVD: 475.39,-2830.81 511.57,-2794.39
  rectangle net P1V8_DVDDC: 514.87,-1710.79 530.87,-1692.79
  rectangle net P3V6: 2073.87,-2756.79 2105.87,-2734.79
  rectangle net P3V6: 2145.87,-2691.79 2168.87,-2621.79
  rectangle net P3V6: 2405.87,-2922.79 2425.87,-2904.79
  rectangle net P3V6: 2373.62,-3002.07 2396.87,-2978.79
  rectangle net GND: -59.06,-3063.44 -49.85,-3040.75
  rectangle net GND: -295.28,-3072.94 -275.59,-2954.83
  rectangle net GND: 1141.87,-3140.35 1277.87,-3098.53
  rectangle net GND: -39.38,-3141.84 795.27,-3096.56
  rectangle net GND: -523.13,-3100.79 -385.84,-3051.29
  rectangle net GND: 972.87,-2269.79 985.87,-2249.79
  rectangle net NetC101_2: -911.42,-2722.54 -842.52,-2594.59
  rectangle net GND: 657.51,-3115.58 694.51,-3052.58
  rectangle net GND: 336.51,-885.83 347.34,-866.14
  rectangle net GND: 336.51,-961.72 346.46,-944.88
  rectangle net GND: 340.45,-1024.58 361.51,-1004.04
  rectangle net GND: 2068.51,-2128.58 2094.51,-2080.58
  text "Layer" at 4305,-584 h60
  text "Name" at 4714.91,-584 h60
  text "Material" at 5644.66,-584 h60
  text "Thickness" at 6504.42,-584 h60
  text "Constant" at 7154.26,-584 h60
  text "Board Layer Stack" at 7724.12,-584 h60
  text "1" at 4305,-704 h60
  text "Top Overlay" at 4714.91,-704 h60
  text "2" at 4305,-824 h60
  text "Top Solder" at 4714.91,-824 h60
  text "Solder Resist" at 5644.66,-824 h60
  text "0.034mm" at 6504.42,-824 h60
  text "3.5" at 7154.26,-824 h60
  text "3" at 4305,-944 h60
  text "L1" at 4714.91,-944 h60
  text "Copper" at 5644.66,-944 h60
  text "0.058mm" at 6504.42,-944 h60
  text "4" at 4305,-1064 h60
  text "Dielectric1" at 4714.91,-1064 h60
  text "FR4" at 5644.66,-1064 h60
  text "0.180mm" at 6504.42,-1064 h60
  text "3.66" at 7154.26,-1064 h60
  text "5" at 4305,-1184 h60
  text "P2" at 4714.91,-1184 h60
  text "Copper" at 5644.66,-1184 h60
  text "0.018mm" at 6504.42,-1184 h60
  text "6" at 4305,-1304 h60
  text "Dielectric 9" at 4714.91,-1304 h60
  text "FR4" at 5644.66,-1304 h60
  text "0.460mm" at 6504.42,-1304 h60
  text "4.2" at 7154.26,-1304 h60
  text "7" at 4305,-1424 h60
  text "L3" at 4714.91,-1424 h60
  text "Copper" at 5644.66,-1424 h60
  text "0.018mm" at 6504.42,-1424 h60
  text "8" at 4305,-1544 h60
  text "Dielectric 8" at 4714.91,-1544 h60
  text "0.180mm" at 6504.42,-1544 h60
  text "4.2" at 7154.26,-1544 h60
  text "9" at 4305,-1664 h60
  text "L4" at 4714.91,-1664 h60
  text "Copper" at 5644.66,-1664 h60
  text "0.018mm" at 6504.42,-1664 h60
  text "10" at 4305,-1784 h60
  text "Dielectric4" at 4714.91,-1784 h60
  text "FR4" at 5644.66,-1784 h60
  text "0.460mm" at 6504.42,-1784 h60
  text "4.2" at 7154.26,-1784 h60
  text "11" at 4305,-1904 h60
  text "P5" at 4714.91,-1904 h60
  text "Copper" at 5644.66,-1904 h60
  text "0.018mm" at 6504.42,-1904 h60
  text "12" at 4305,-2024 h60
  text "Dielectric3" at 4714.91,-2024 h60
  text "FR4" at 5644.66,-2024 h60
  text "0.180mm" at 6504.42,-2024 h60
  text "4.2" at 7154.26,-2024 h60
  text "13" at 4305,-2144 h60
  text "L6" at 4714.91,-2144 h60
  text "Copper" at 5644.66,-2144 h60
  text "0.058mm" at 6504.42,-2144 h60
  text "14" at 4305,-2264 h60
  text "Bottom Solder" at 4714.91,-2264 h60
  text "Solder Resist" at 5644.66,-2264 h60
  text "0.034mm" at 6504.42,-2264 h60
  text "3.5" at 7154.26,-2264 h60
  text "15" at 4305,-2384 h60
  text "Bottom Overlay" at 4714.91,-2384 h60
L3:
  rectangle net NetC91_2: 1426.51,-1168.58 1436.08,-1147.58
  rectangle net GND: 1412.87,-3042.79 1442.87,-3023.79
  rectangle net GND: 1265.87,-3052.79 1315.87,-3032.79
  rectangle net GND: 2828.87,-3142.79 2892.87,-3120.79
  rectangle net P1V8_DVDDB: 521.65,-868.21 541.34,-801.28
  rectangle net P1V8_DVDDB: 521.65,-602.46 541.34,-543.41
  rectangle net P1V8_DVDDA: 521.65,283.36 541.34,342.42
  rectangle net P1V8_DVDDA: 521.65,17.61 541.34,84.54
  rectangle net P1V8_DVDDC: 521.65,-1488.29 541.34,-1429.24
  rectangle net P1V8_DVDDC: 521.65,-1754.04 541.34,-1687.11
  rectangle net P1V8_DVDDD: 521.65,-2639.87 541.34,-2572.94
  rectangle net P1V8_DVDDD: 521.65,-2374.12 541.34,-2315.06
L4:
  rectangle net NetC73_2: 2826.87,-2988.79 2853.87,-2968.79
  rectangle net P1V8_DVDDB: 521.65,-868.21 541.34,-809.16
  rectangle net P1V8_DVDDB: 216.54,-848.53 238.1,-803.09
  rectangle net P1V8_DVDDA: 216.54,37.3 238.1,82.74
  rectangle net P1V8_DVDDA: 521.65,17.61 541.34,76.67
  rectangle net P1V8_DVDDC: 216.54,-1734.35 238.1,-1688.91
  rectangle net P1V8_DVDDC: 521.65,-1754.04 541.34,-1694.98
  rectangle net P1V8_DVDDD: 216.54,-2620.18 238.1,-2574.74
  rectangle net P1V8_DVDDD: 521.65,-2639.87 541.34,-2580.81
  rectangle net NetC91_2: 1408.86,-1180.83 1453.87,-1127.79
L6:
  rectangle net GND: 640,-2757.48 830,-2567.48
  rectangle net GND: 640,-1871.65 830,-1681.65
  rectangle net GND: 640,-985.83 830,-795.83
  rectangle net GND: 640,-100 830,90
  rectangle net GND: -114.17,-2820.97 181.1,-2545.38
  rectangle net GND: -114.17,-1935.14 181.1,-1659.55
  rectangle net GND: -114.17,-1049.31 181.1,-773.72
  rectangle net GND: -114.17,-163.49 181.1,112.1
  rectangle net NetC73_2: 2825.87,-2988.79 2853.87,-2966.79
  rectangle net P3V3: 2779.53,-2124.12 2786.87,-2112.79
  rectangle net P3V3: 2778.87,-1779.79 2787.87,-1767.17
  rectangle net P3V3: 2601.87,169.21 2608.27,181
  rectangle net GND: 2834.87,-3139.79 2885.87,-3121.79
  rectangle net P3V3: 2060.87,-1203.79 2073.87,-1190.79
  rectangle net DAC_OUTRD_P: 861.81,-2509.64 866.43,-2498.79
  rectangle net DAC_OUTRD_N: 837.87,-2501.53 847,-2499.79
  rectangle net S3D: 1140.87,-2427.27 1155.87,-2389.79
  rectangle net S4D: 1102.87,-2427.27 1111.22,-2389.79
  rectangle net S1D: 1067.87,-2425.81 1084.87,-2389.79
  rectangle net S3B: 1138.87,-653.65 1154.87,-616.79
  rectangle net S4B: 1102.87,-650.79 1120.87,-616.79
  rectangle net S1B: 1067.87,-654.43 1085.87,-615.79
  rectangle net S3A: 1136.87,235.21 1155.87,268.33
  rectangle net S4A: 1101.87,232.18 1117.87,270.21
  rectangle net S1A: 1069.87,232.21 1084.87,268.82
  rectangle net IO_A3: 1846.06,-1469.2 1865.87,-1452.79
  rectangle net IO_A6: 1894.87,-1968.79 1920.87,-1944.98
  rectangle net IO_A4: 1846.06,-1826.87 1859.87,-1800.79
  rectangle net IO_A5: 1848.4,-1888.24 1859.87,-1866.24
  rectangle net IO_A4: 1846.06,-1826.87 1852.76,-1803.35
  rectangle net IO_B10: 2603.87,-1407.79 2621.87,-1383.96
  rectangle net LVDS1B_P: 2842.87,-1290.79 2852.87,-1280.79
  rectangle net P3V3: 2364.07,-234.25 2394.87,-108.98
P2 (plane layer: these items are gaps in the copper):
  lines w10: 935.04,-2354.43 935.04,371.94 984.25,421.16 1210.63,421.16 1240.16,391.63 1240.16,381.79 1240.16,332.57 1171.26,263.68 1171.26,-2354.43 1161.42,-2364.28 944.88,-2364.28 935.04,-2354.43

## Silkscreen, mask and mechanical layers (free items; w line width, h text height)
Top Overlay:
  circle w10: c-2852.13,447.21 r112.5
  circle w10: c-2852.13,-3052.79 r112.5
  lines w8: 1395.51,-1702.58 1395.51,-1668.58 1408.51,-1655.58 ; 1472.51,-1687.58 1477.51,-1692.58 1493.51,-1692.58 ; 1479.51,-1692.58 1538.51,-1692.58 1554.51,-1676.58 1554.51,-1623.58 1549.51,-1618.58
  text "P1V8A" at 1560.51,485.42 h30
  text "TP4" at 2010.51,433.42 h30
  text "TP2" at 1833.51,430.42 h30
  text "TP0" at 1673.51,427.42 h30
  text "RF OUT 0" at -2694.49,320.42 h30
  text "TP3" at 1923.51,303.42 h30
  text "TP1" at 1757.51,299.42 h30
  text "MODE" at 2828.51,270.42 h30 r90
  text "P3V6" at 1684.51,225.42 h30
  text "P3V3_MP" at 2830.51,-106.58 h30 r90
  text "RF OUT 1" at -2693.49,-348.58 h30
  text "JTAG" at 2897.51,-441.58 h60 r90
  text "EEM 0" at 2225.51,-779.58 h60
  text "EEM 1" at 2950.51,-785.58 h60
  text "RF OUT 2" at -2697.49,-1018.58 h30
  text "RF OUT 3" at -2722.49,-1687.58 h30
  text "MMCX" at 1490.51,-1728.58 h30
  text "INT" at 1376.51,-1746.58 h30
  text "CLK" at 1509.51,-1768.58 h30
  text "OSC" at 1373.51,-1790.58 h30
  text "P3V3" at 1785.51,-1810.58 h30
  text "P12V0" at 2738.51,-2164.58 h30
  text "P3V3_MP" at 2724.51,-2305.58 h30
  text "EXT CLK IN" at -2729.49,-2361.58 h30
  text "P2V0" at 2547.51,-2379.58 h30
  text "P3V3A" at 1683.51,-2446.58 h30
  text "P5V0" at -1510.49,-2525.58 h30
  text "P7V0" at -2322.49,-2568.58 h30
  text "INT CLK IN" at -2348.49,-2650.58 h30
  text "TP4" at 3290,-2737 h30 r90
  text "TP2" at 3292,-2832 h30 r90
  text "P5V0A" at -1699.49,-2919.58 h30
  text "TP3" at 3293,-2922 h30 r90
  text "P3V6" at -1680.49,-2977.58 h30
  text "TP1" at 3178,-3021 h30
  text "WUT ISE 2017" at -1363.69,-3233.25 h40
  text "3U DDS rev 1.0" at -2247.69,-3239.25 h59.06
Bottom Paste:
  drawing of 164 lines, arcs and shapes, not listed
Bottom Solder:
  rectangle: 640,-2757.48 830,-2567.48
  rectangle: 640,-1871.65 830,-1681.65
  rectangle: 640,-985.83 830,-795.83
  rectangle: 640,-100 830,90
  rectangle: -114.17,-2820.97 181.1,-2545.38
  rectangle: -114.17,-1935.14 181.1,-1659.55
  rectangle: -114.17,-1049.31 181.1,-773.72
  rectangle: -114.17,-163.49 181.1,112.1
Mechanical 1:
  lines w0.39: -3124.02,-3300.65 -3124.02,-83.8 -3124.02,356.2
  lines w3.94: -3031.5,-2902.87 -3031.5,38.28 -3031.5,312.89 -2992.13,352.26 -2992.13,667.21 3306.87,667.21 3306.87,-3269.79 -2992.13,-3269.79 -2992.13,-2942.24 -3031.5,-2902.87
Mechanical 2:
  lines w3.94: -3092.28,-3830.35 -3092.28,999.66
SHIELD:
  lines w39.37: -2594.49,-2368.21 -2594.49,-3076.87 -2594.49,-3096.56 -547.24,-3096.56 ; 1225.86,-440.83 1225.86,446.75 -547.24,446.75 -547.24,-439.08 ; -2594.49,-1738.29 -2594.49,-2407.58 -547.24,-2407.58 ; -2594.49,-1738.29 -547.24,-1738.29 ; -2594.49,-1738.29 -2594.49,-1069 ; -2594.49,-1069 -547.24,-1069 ; -2594.49,-1069 -2594.49,-399.71 ; -2594.49,-399.71 -2594.49,269.58 -2082.68,269.58 -547.24,269.58 -547.24,-399.71 ; -2594.49,-399.71 -547.24,-399.71 ; -547.24,-3096.56 -547.24,-3096.56 ; -547.24,-3096.56 -547.24,-2407.58 ; -547.24,-3096.56 1224.41,-3096.56 1224.41,-439.08 ; -547.24,-2407.58 -547.24,-1738.29 ; -547.24,-1738.29 -547.24,-1069 ; -547.24,-1069 -547.24,-399.71 ; -547.24,-439.08 1224.41,-439.08 ; -547.24,-439.08 1224.41,-439.08 ; -547.24,-2210.73 1224.41,-2210.73 -547.24,-2210.73 ; -547.24,-1324.91 1224.41,-1324.91 -547.24,-1324.91

## Text inside footprints (layer, text, board x,y; h text height)
FL2A: Drill Drawing "capped via" at -1101.38,-17.82 h19.68 r180; Drill Drawing "Filled and" at -1103.35,-47.35 h19.68 r180
FL2B: Drill Drawing "capped via" at -1101.38,-687.11 h19.68 r180; Drill Drawing "Filled and" at -1103.35,-716.64 h19.68 r180
FL2C: Drill Drawing "capped via" at -1101.38,-1356.4 h19.68 r180; Drill Drawing "Filled and" at -1103.35,-1385.93 h19.68 r180
FL2D: Drill Drawing "capped via" at -1101.38,-2025.69 h19.68 r180; Drill Drawing "Filled and" at -1103.35,-2055.22 h19.68 r180
J1A: Top Overlay "30" at 2453.31,-2448.3 h40 r270; Mechanical 14 "30" at 2453.31,-2448.3 h40 r270
J1B: Top Overlay "30" at 3189.65,-2452.66 h40 r270; Mechanical 14 "30" at 3189.65,-2452.66 h40 r270
LD2: Top Overlay "A" at -2842.56,-2202.11 h39.37 r90; Top Overlay "B" at -2742.56,-2202.11 h39.37 r90; Mechanical 14 "A" at -2842.56,-2202.11 h39.37 r90; Mechanical 14 "B" at -2742.56,-2202.11 h39.37 r90
LD5: Top Overlay "A" at -2842.56,-194.24 h39.37 r90; Top Overlay "B" at -2742.56,-194.24 h39.37 r90; Mechanical 14 "A" at -2842.56,-194.24 h39.37 r90; Mechanical 14 "B" at -2742.56,-194.24 h39.37 r90
LD6: Top Overlay "A" at -2842.56,-863.53 h39.37 r90; Top Overlay "B" at -2742.56,-863.53 h39.37 r90; Mechanical 14 "A" at -2842.56,-863.53 h39.37 r90; Mechanical 14 "B" at -2742.56,-863.53 h39.37 r90
LD7: Top Overlay "A" at -2842.56,-2851.72 h39.37 r90; Top Overlay "B" at -2742.56,-2851.72 h39.37 r90; Mechanical 14 "A" at -2842.56,-2851.72 h39.37 r90; Mechanical 14 "B" at -2742.56,-2851.72 h39.37 r90
LD8: Top Overlay "A" at -2842.56,-1532.82 h39.37 r90; Top Overlay "B" at -2742.56,-1532.82 h39.37 r90; Mechanical 14 "A" at -2842.56,-1532.82 h39.37 r90; Mechanical 14 "B" at -2742.56,-1532.82 h39.37 r90
SW1: Top Overlay "1" at 3159.33,157.69 h39.37 r90; Top Overlay "2" at 3159.33,247.69 h39.37 r90; Top Overlay "ON" at 2984.33,127.69 h39.37 r90; Top Overlay "3" at 3159.33,347.69 h39.37 r90; Top Overlay "4" at 3159.33,447.69 h39.37 r90; Mechanical 14 "1" at 3159.33,157.69 h39.37 r90; Mechanical 14 "2" at 3159.33,247.69 h39.37 r90; Mechanical 14 "ON" at 2984.33,127.69 h39.37 r90; Mechanical 14 "3" at 3159.33,347.69 h39.37 r90; Mechanical 14 "4" at 3159.33,447.69 h39.37 r90